# Altium PCB PCB1.PcbDoc (part 1 of 5)
Units mm, origin at the board's own origin, x right, y up, seen from the top; angles counter-clockwise.
Board outline 160 x 50 mm, 6 copper layers (Top Layer, Layer 1, Top Middle Layer, Bottom Middle Layer, Layer 2, Bottom Layer), stack 0.885 mm thick; 337 components, 281 nets, 1269 pads, 489 vias.
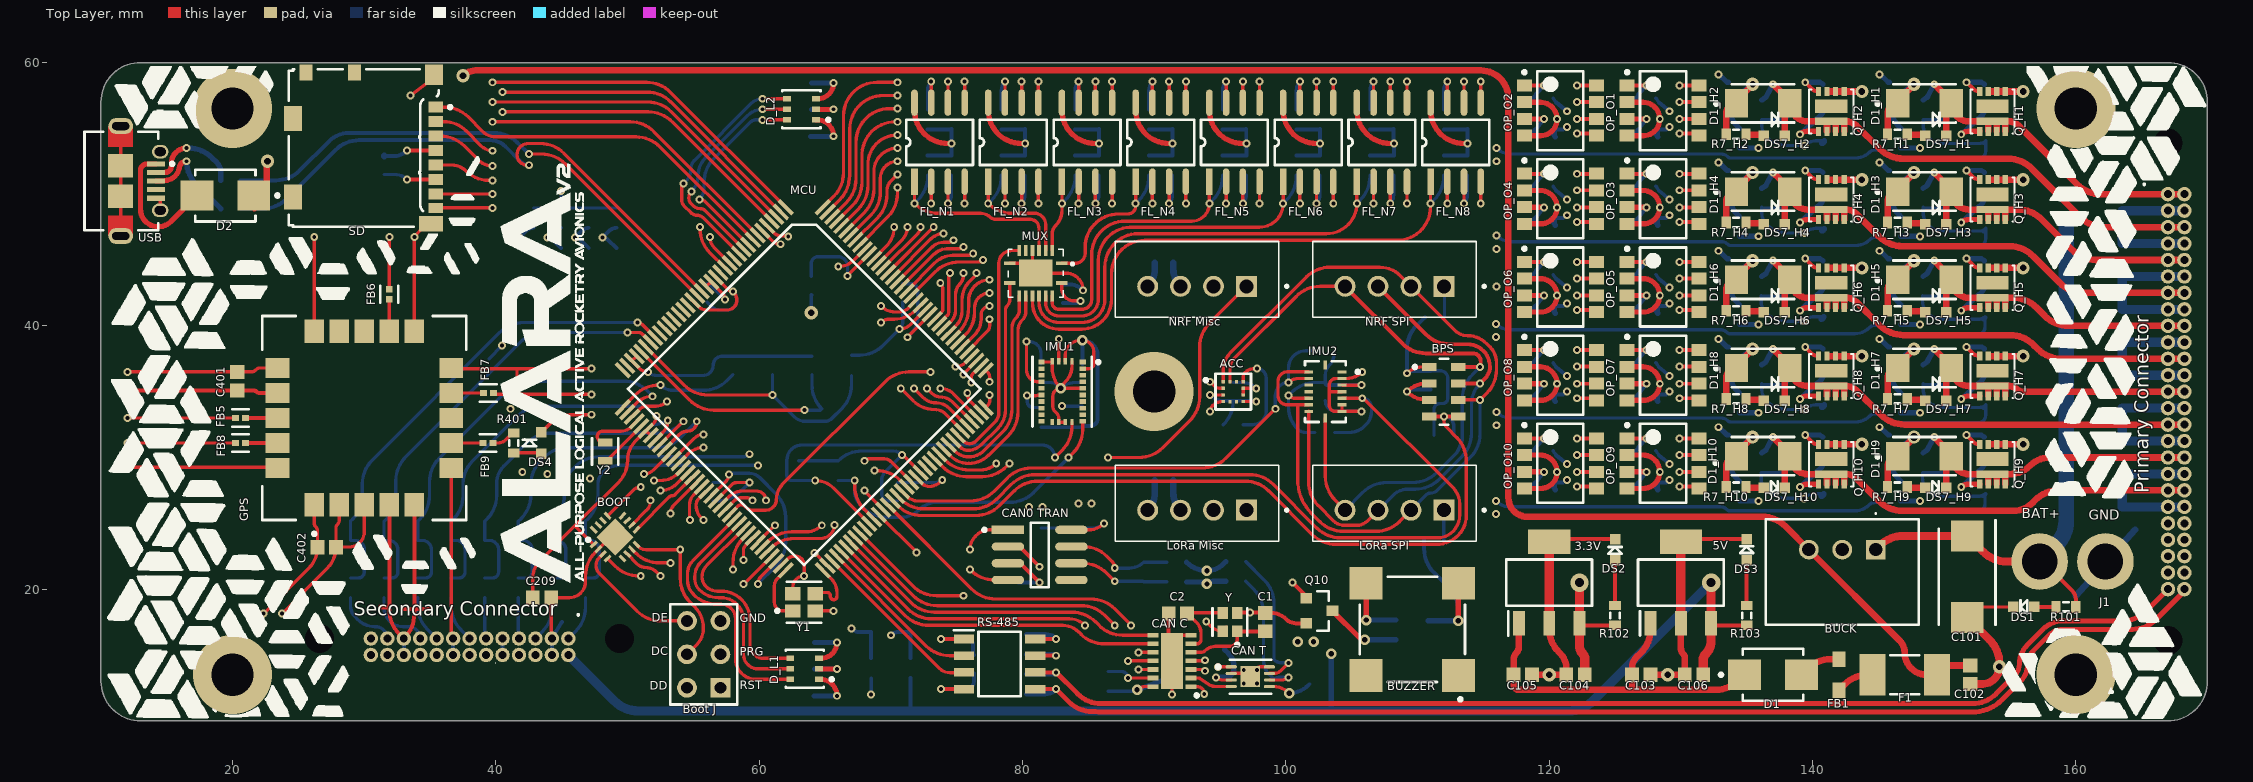
[diagram p0: Top Layer view]
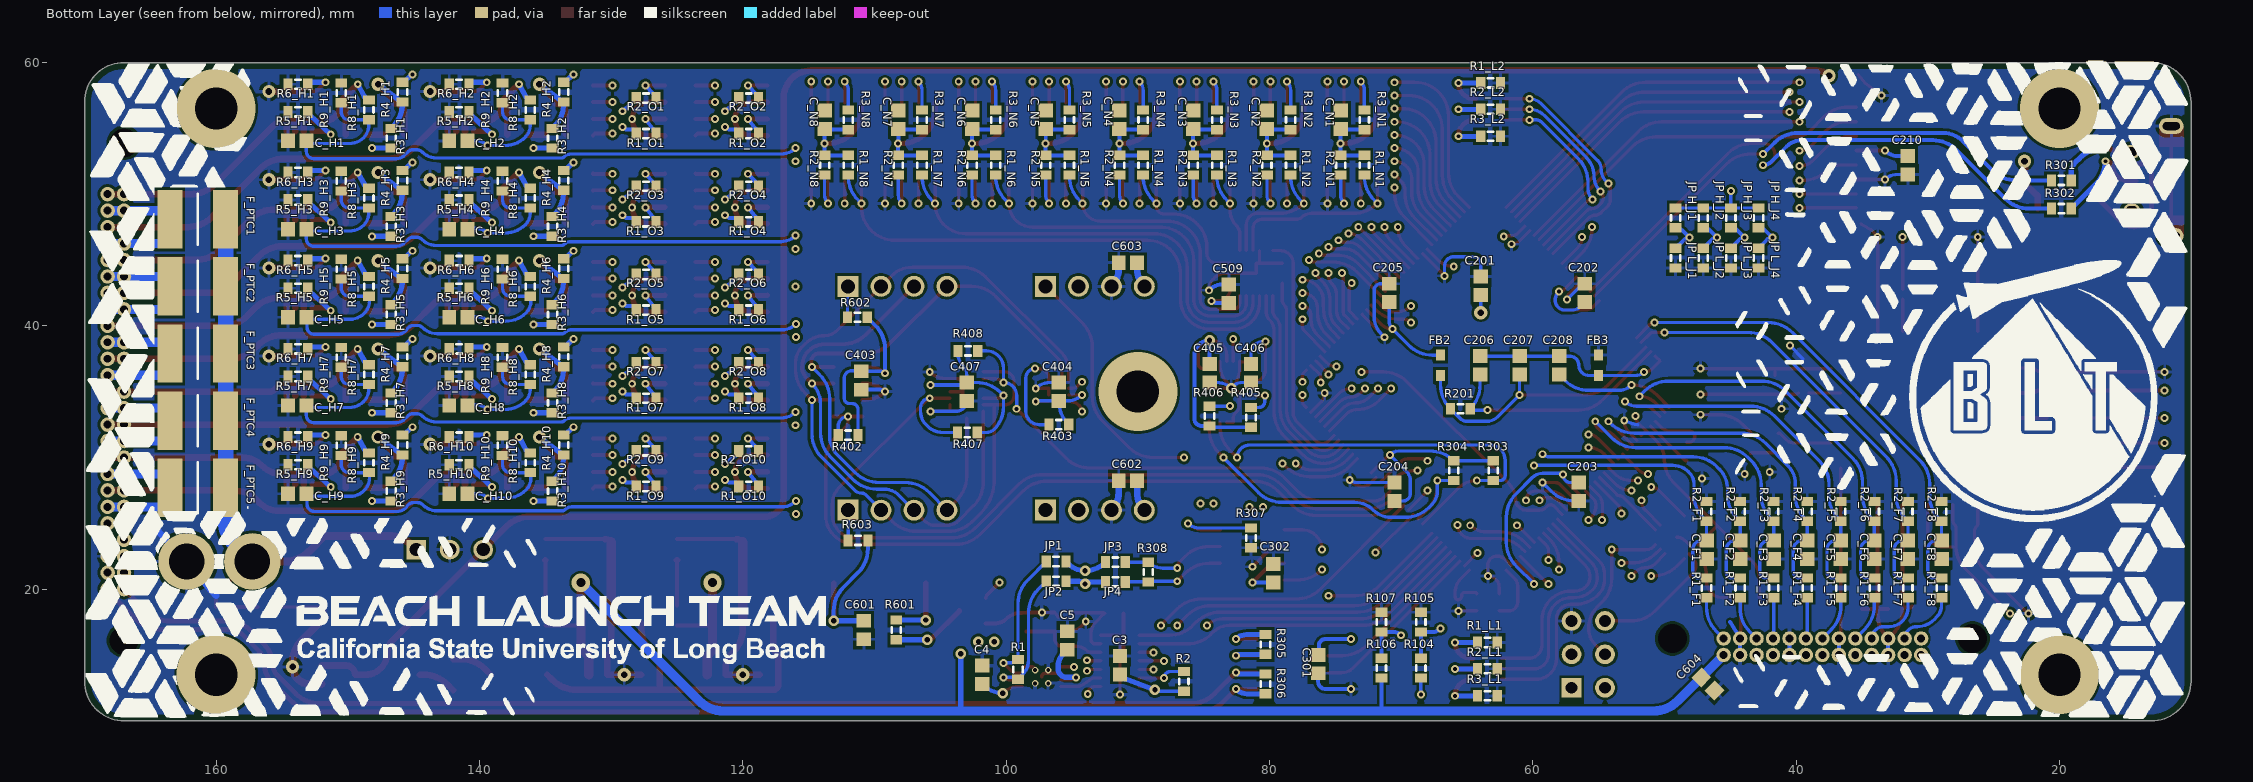
[diagram p1: Bottom Layer view, seen from below]
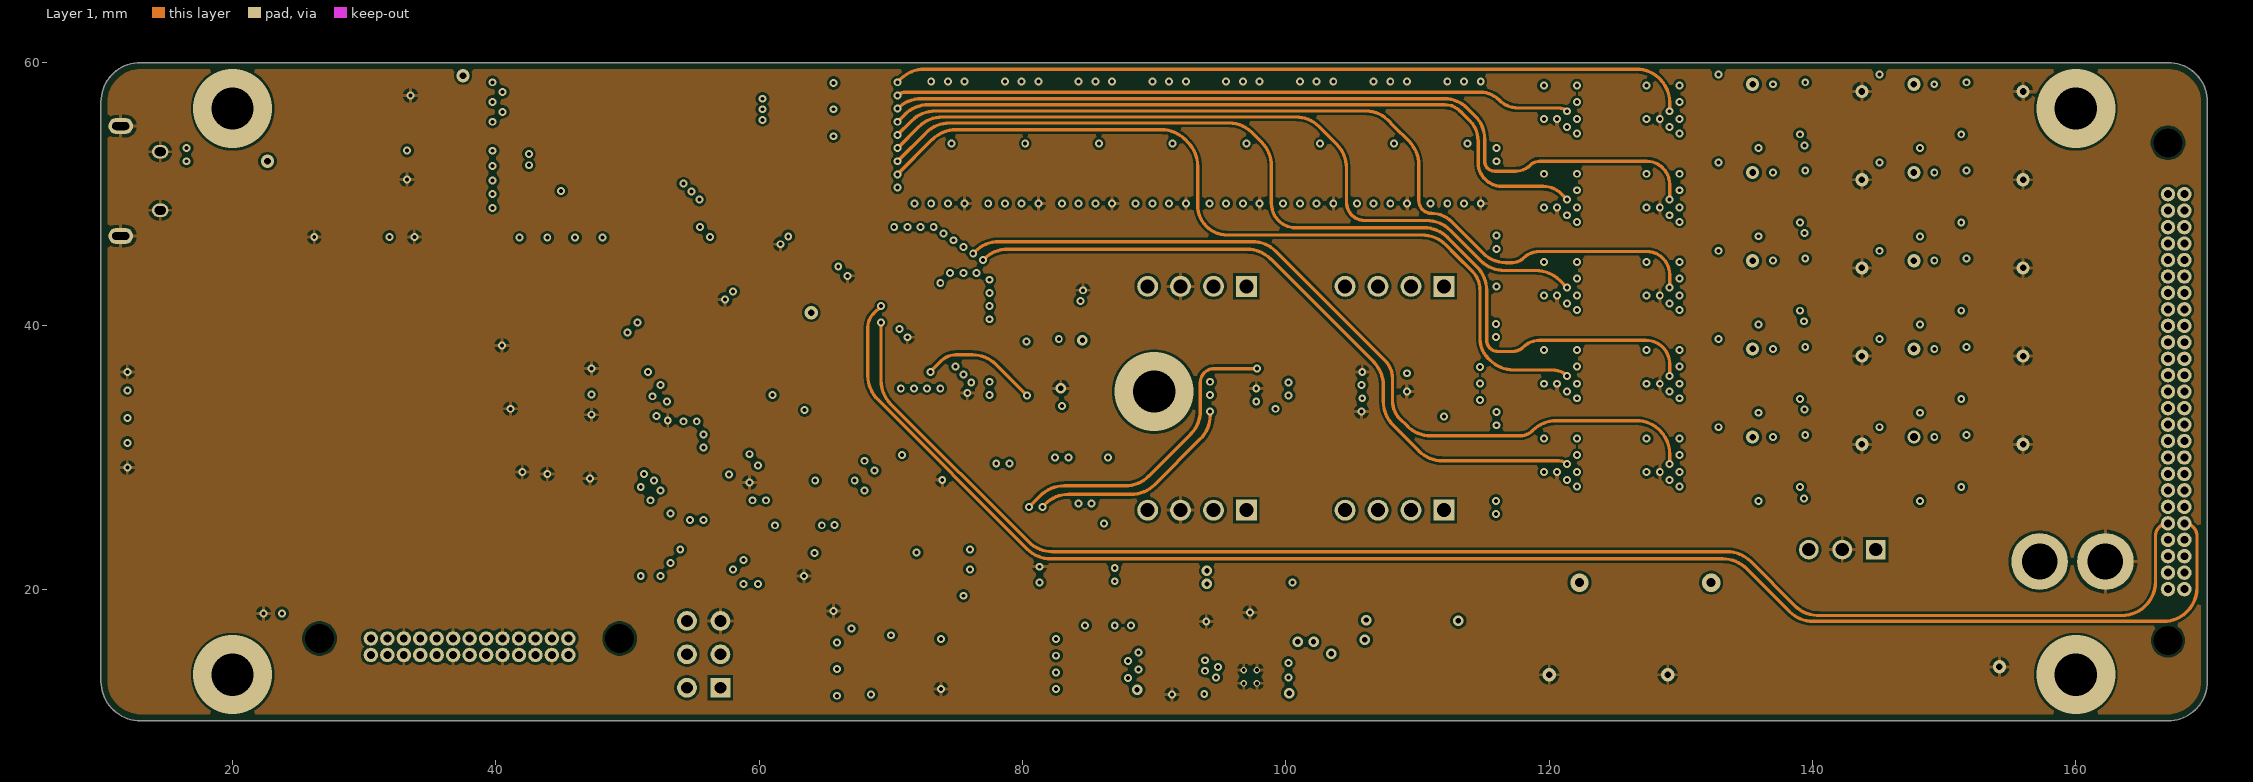
[diagram p2: Layer 1]
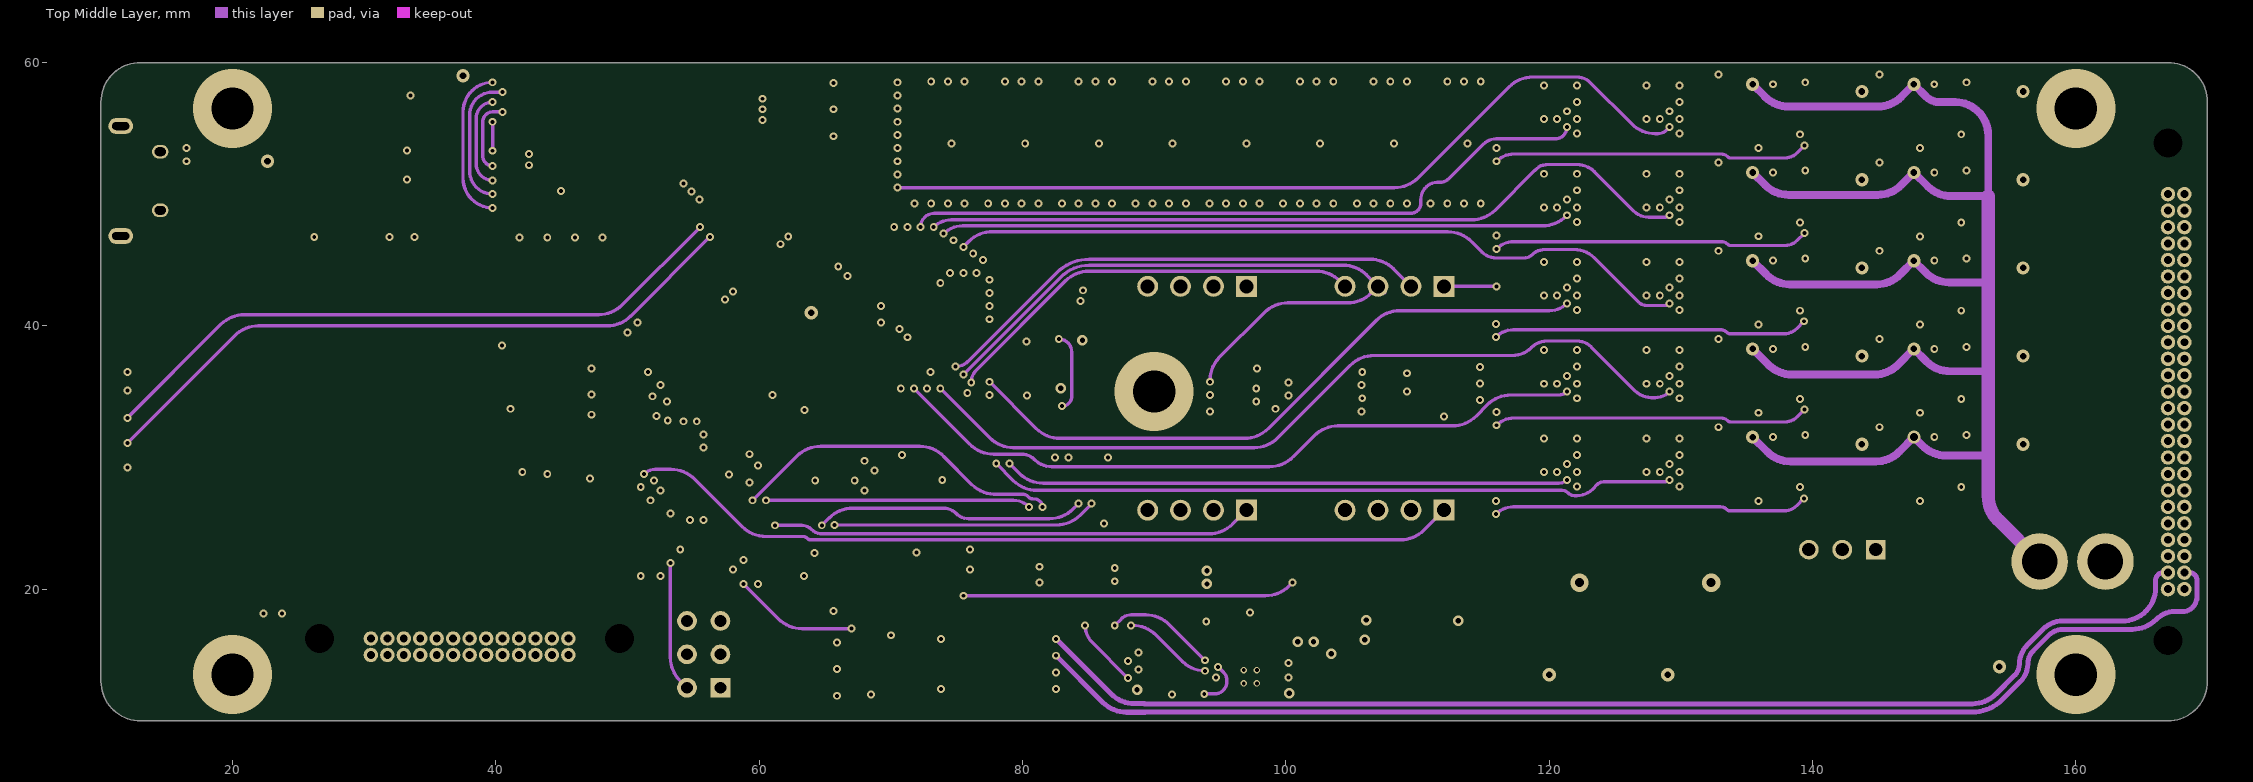
[diagram p3: Top Middle Layer]
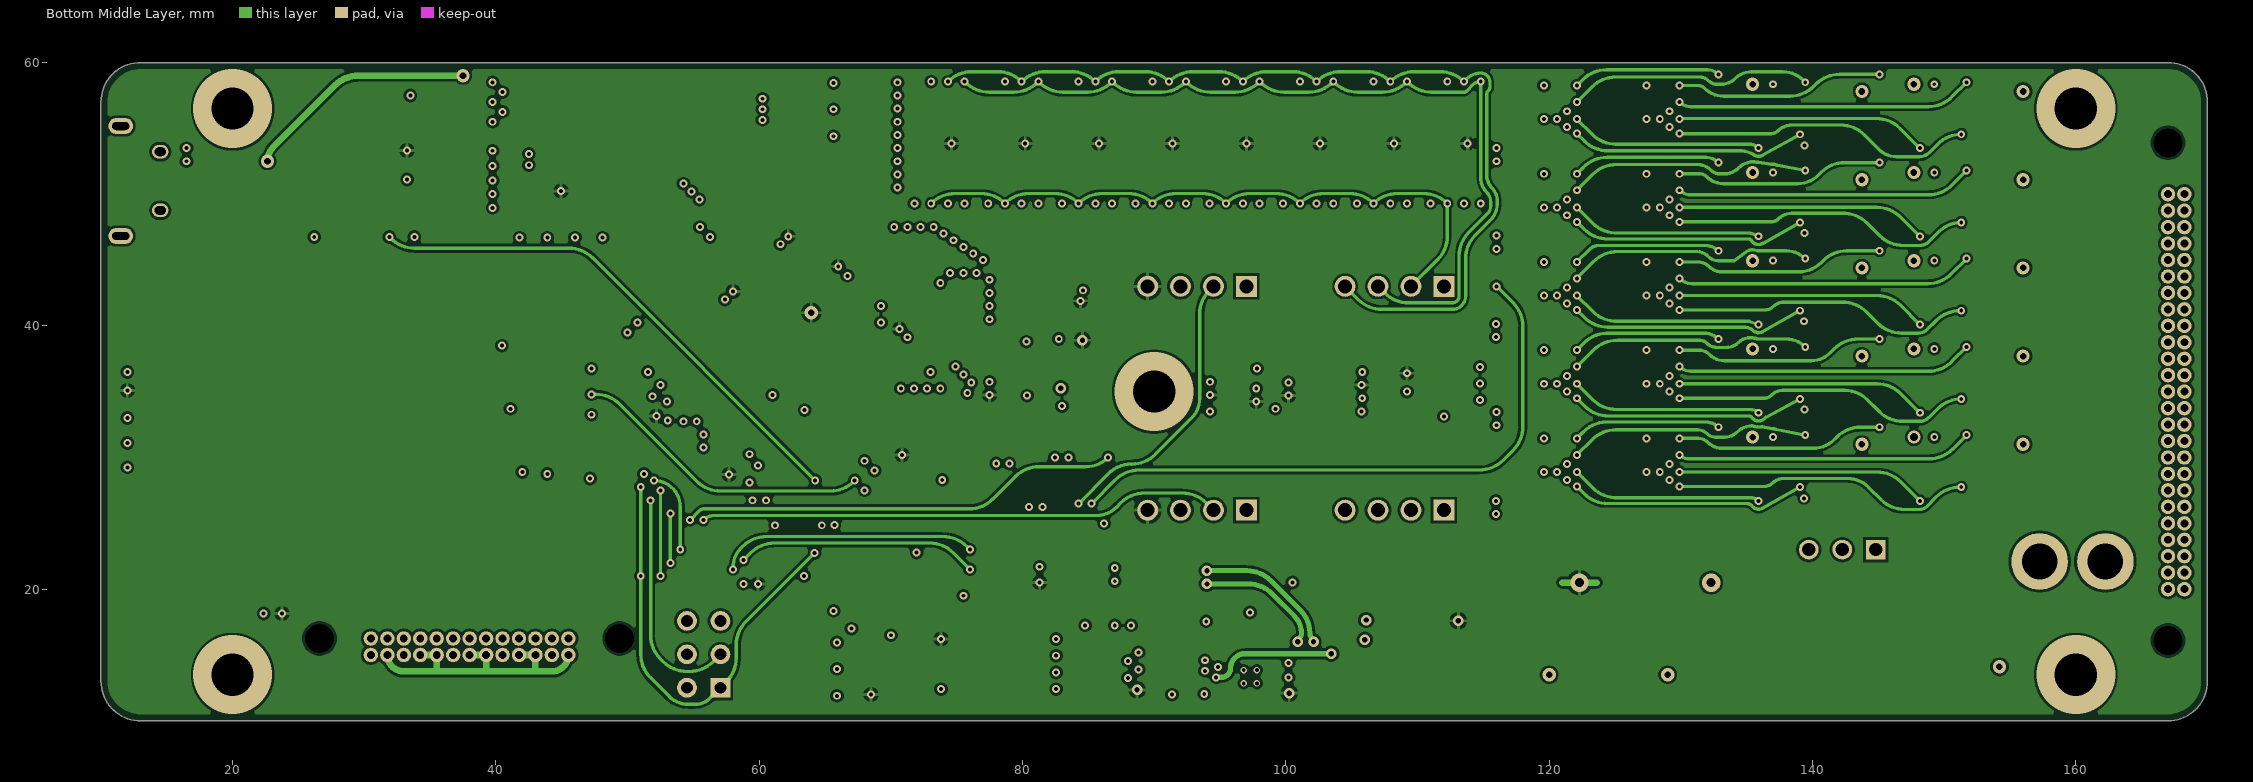
[diagram p4: Bottom Middle Layer]
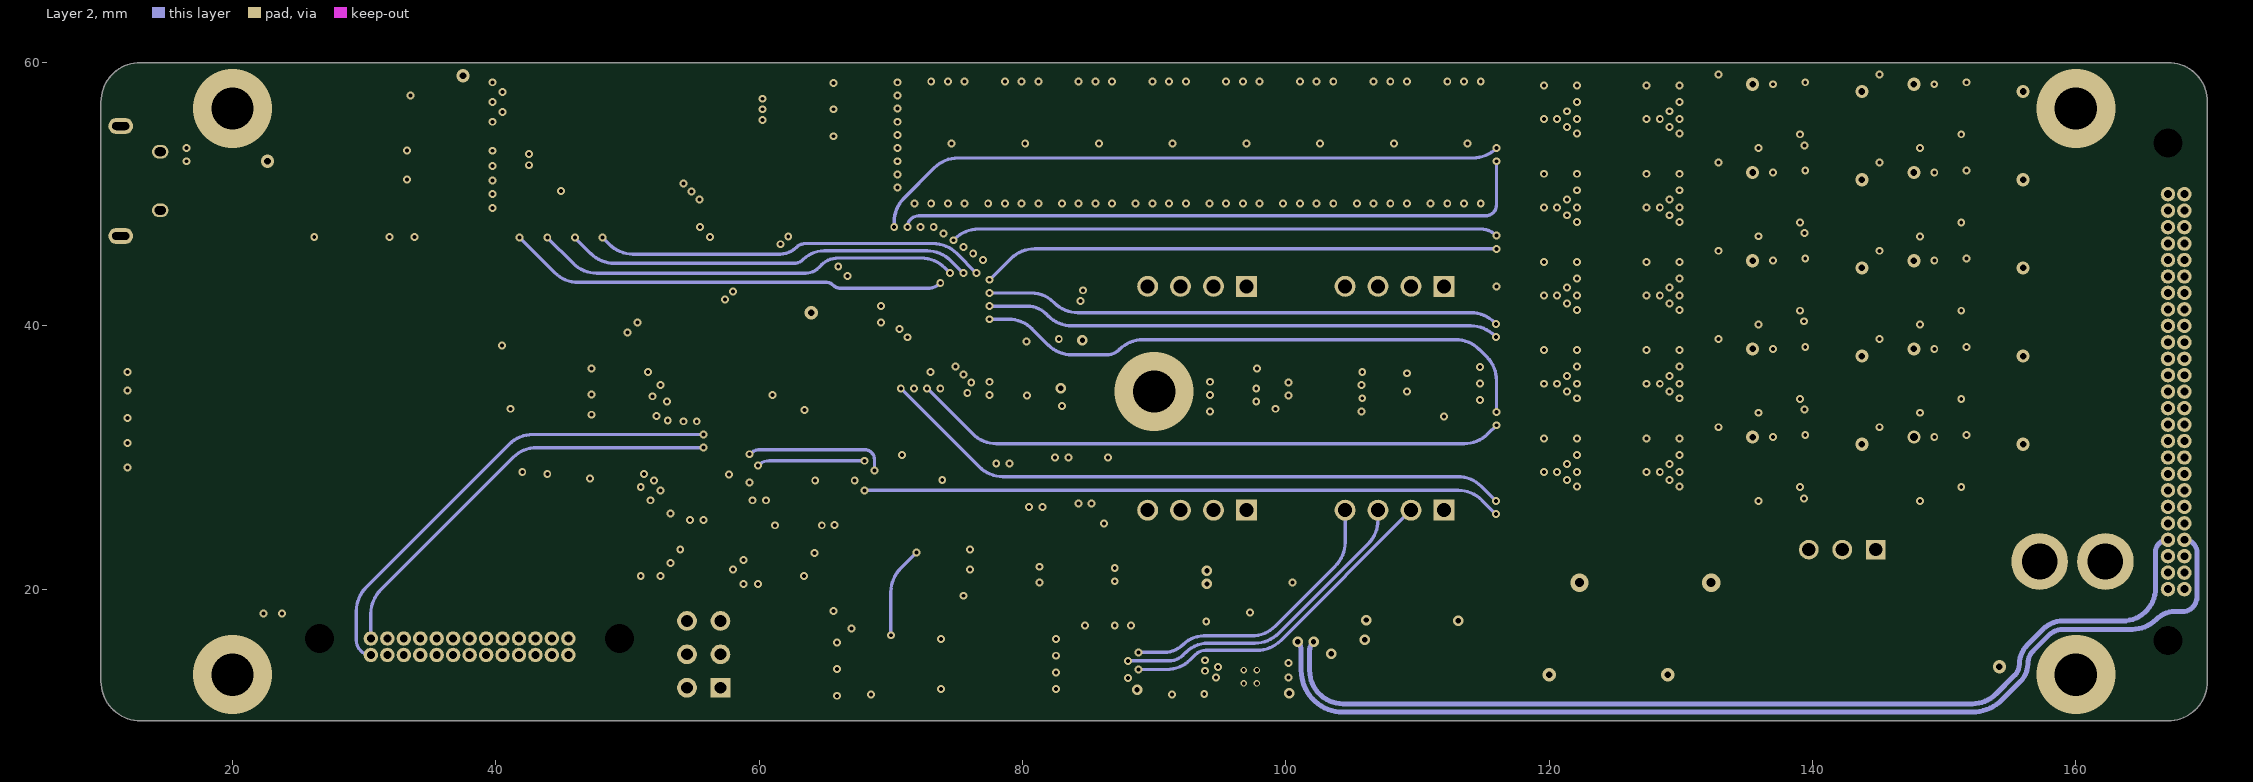
[diagram p5: Layer 2]
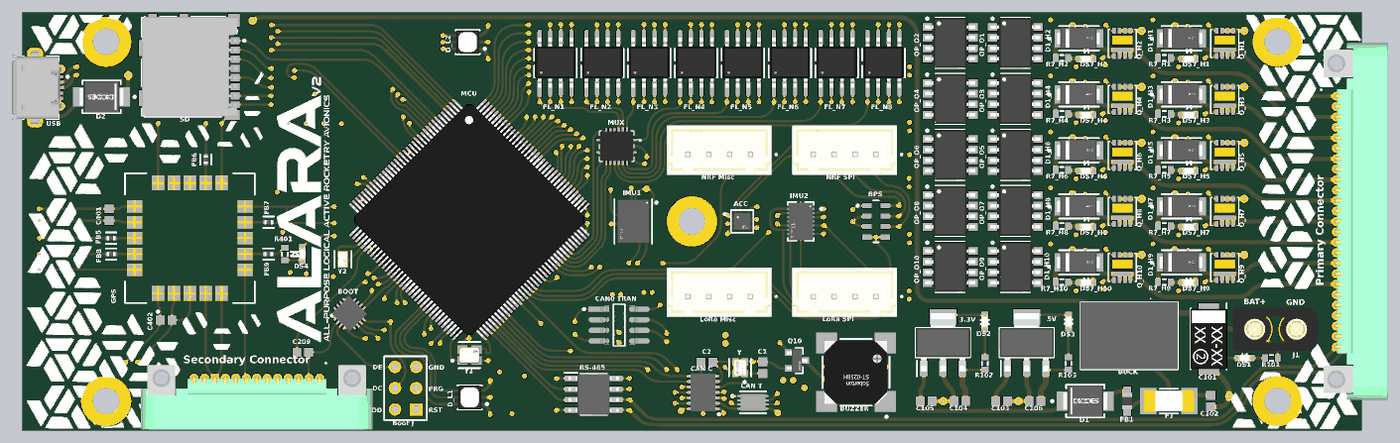
[diagram p10: 3D render of the assembled board from above, using the file's embedded part models]

## Layer stack, top to bottom
Top Solder: solder mask 0.0254, SM-002, Dk 4
Top Layer: signal copper 0.07
Dielectric 2: prepreg 0.0711, PP-006, Dk 4.1
Layer 1: signal copper 0.035
Dielectric 4: prepreg 0.0711, PP-006, Dk 4.1
Top Middle Layer: signal copper 0.035
Dielectric 1: dielectric 0.32, FR-4, Dk 4.8
Bottom Middle Layer: signal copper 0.035
Dielectric 5: prepreg 0.0711, PP-006, Dk 4.1
Layer 2: signal copper 0.035
Dielectric 3: prepreg 0.0711, PP-006, Dk 4.1
Bottom Layer: signal copper 0.07
Bottom Solder: solder mask 0.0254, SM-002, Dk 4

## Board outline
10,13 ccw(c13,13) 13,10 167,10 ccw(c167,13) 170,13 170,57 ccw(c167,57) 167,60 13,60 ccw(c13,57) 10,57

## Design rules (kind name [scope] priority, off if disabled: settings)
Clearance [All] p1: gap=0.2 ignorepadtopadclearanceinfootprint=TRUE except(0: Arc-Hole Track-Hole SMDPad-Hole THPad-Hole Via-Hole Fill-Hole Poly-Hole Region-Hole Text-Hole; 0.15: Arc-SMDPad Track-SMDPad)
DiffPairsRouting [All] p1: maxlimit=0.254 minlimit=0.254 mostfreqgap=0.254 toplayer_minwidth=0.381 toplayer_maxwidth=0.381 toplayer_prefwidth=0.381 midlayer1_minwidth=0.381 midlayer1_maxwidth=0.381 midlayer1_prefwidth=0.381 midlayer2_minwidth=0.381 midlayer2_maxwidth=0.381 midlayer2_prefwidth=0.381 midlayer3_minwidth=0.381 midlayer3_maxwidth=0.381 midlayer3_prefwidth=0.381 midlayer4_minwidth=0.381 midlayer4_maxwidth=0.381 midlayer4_prefwidth=0.381 bottomlayer_minwidth=0.381 bottomlayer_maxwidth=0.381 bottomlayer_prefwidth=0.381 maxuncoupledlength=12.7
PolygonConnect [All] p1: connectstyle=Relief reliefconductorwidth=0.254 reliefentries=4 polygonreliefangle="90 Angle" airgapwidth=0.254
RoomDefinition PTC1 [InComponentClass('PTC1')] p1: confinementstyle=ConfineIn formatcopy=TRUE lockcomponents=FALSE outline 157.2,50.65 164.9,50.65 164.9,45.55 157.2,45.55
RoomDefinition PTC2 [InComponentClass('PTC2')] p2: confinementstyle=ConfineIn formatcopy=TRUE lockcomponents=FALSE outline 157.2,45.55 164.9,45.55 164.9,40.45 157.2,40.45
RoomDefinition PTC3 [InComponentClass('PTC3')] p3: confinementstyle=ConfineIn formatcopy=TRUE lockcomponents=FALSE outline 157.2,40.45 164.9,40.45 164.9,35.35 157.2,35.35
RoomDefinition PTC4 [InComponentClass('PTC4')] p4: confinementstyle=ConfineIn formatcopy=TRUE lockcomponents=FALSE outline 157.2,35.35 164.9,35.35 164.9,30.25 157.2,30.25
RoomDefinition PTC5 [InComponentClass('PTC5')] p5: confinementstyle=ConfineIn formatcopy=TRUE lockcomponents=FALSE outline 157.2,30.25 164.9,30.25 164.9,25.15 157.2,25.15
RoomDefinition F6 [InComponentClass('F6')] p6: confinementstyle=ConfineIn formatcopy=TRUE lockcomponents=FALSE outline 32.95,18.25 35.5,18.25 35.5,27.75 32.95,27.75
RoomDefinition F7 [InComponentClass('F7')] p7: confinementstyle=ConfineIn formatcopy=TRUE lockcomponents=FALSE outline 30.4,18.25 32.95,18.25 32.95,27.75 30.4,27.75
RoomDefinition F8 [InComponentClass('F8')] p8: confinementstyle=ConfineIn formatcopy=TRUE lockcomponents=FALSE outline 27.85,18.25 30.4,18.25 30.4,27.75 27.85,27.75
RoomDefinition F1 [InComponentClass('F1')] p9: confinementstyle=ConfineIn formatcopy=TRUE lockcomponents=FALSE outline 45.7,18.25 48.25,18.25 48.25,27.75 45.7,27.75
RoomDefinition F2 [InComponentClass('F2')] p10: confinementstyle=ConfineIn formatcopy=TRUE lockcomponents=FALSE outline 43.15,18.25 45.7,18.25 45.7,27.75 43.15,27.75
RoomDefinition F3 [InComponentClass('F3')] p11: confinementstyle=ConfineIn formatcopy=TRUE lockcomponents=FALSE outline 40.6,18.25 43.15,18.25 43.15,27.75 40.6,27.75
RoomDefinition F4 [InComponentClass('F4')] p12: confinementstyle=ConfineIn formatcopy=TRUE lockcomponents=FALSE outline 38.05,18.25 40.6,18.25 40.6,27.75 38.05,27.75
RoomDefinition F5 [InComponentClass('F5')] p13: confinementstyle=ConfineIn formatcopy=TRUE lockcomponents=FALSE outline 35.5,18.25 38.05,18.25 38.05,27.75 35.5,27.75
RoomDefinition B [InComponentClass('B')] p14: confinementstyle=ConfineIn formatcopy=TRUE lockcomponents=FALSE outline 85.5,11.5 102.95,11.5 102.95,19.6 85.5,19.6
RoomDefinition J4 [InComponentClass('J4')] p15: confinementstyle=ConfineIn formatcopy=TRUE lockcomponents=FALSE outline 41.4,42.6 43.5,42.6 43.5,51 41.4,51
RoomDefinition L1 [InComponentClass('L1')] p16: confinementstyle=ConfineIn formatcopy=TRUE lockcomponents=FALSE outline 66.35,10.45 66.35,16.6 60.95,16.6 60.95,10.45
RoomDefinition L2 [InComponentClass('L2')] p17: confinementstyle=ConfineIn formatcopy=TRUE lockcomponents=FALSE outline 67.3,52.95 67.3,59.1 60.7,59.1 60.7,52.95
RoomDefinition J3 [InComponentClass('J3')] p18: confinementstyle=ConfineIn formatcopy=TRUE lockcomponents=FALSE outline 43.5,42.6 45.6,42.6 45.6,51 43.5,51
RoomDefinition J2 [InComponentClass('J2')] p19: confinementstyle=ConfineIn formatcopy=TRUE lockcomponents=FALSE outline 45.6,42.6 47.7,42.6 47.7,51 45.6,51
RoomDefinition J1 [InComponentClass('J1')] p20: confinementstyle=ConfineIn formatcopy=TRUE lockcomponents=FALSE outline 47.7,42.6 49.8,42.6 49.8,51 47.7,51
RoomDefinition N8 [InComponentClass('N8')] p21: confinementstyle=ConfineIn formatcopy=TRUE lockcomponents=FALSE outline 110.2,47.95 115.6,47.95 115.6,59 110.2,59
RoomDefinition N4 [InComponentClass('N4')] p22: confinementstyle=ConfineIn formatcopy=TRUE lockcomponents=FALSE outline 87.8,47.95 93.2,47.95 93.2,59 87.8,59
RoomDefinition N6 [InComponentClass('N6')] p23: confinementstyle=ConfineIn formatcopy=TRUE lockcomponents=FALSE outline 99,47.95 104.4,47.95 104.4,59 99,59
RoomDefinition N5 [InComponentClass('N5')] p24: confinementstyle=ConfineIn formatcopy=TRUE lockcomponents=FALSE outline 93.4,47.95 98.8,47.95 98.8,59 93.4,59
RoomDefinition N7 [InComponentClass('N7')] p25: confinementstyle=ConfineIn formatcopy=TRUE lockcomponents=FALSE outline 104.6,47.95 110,47.95 110,59 104.6,59
RoomDefinition N3 [InComponentClass('N3')] p26: confinementstyle=ConfineIn formatcopy=TRUE lockcomponents=FALSE outline 82.2,47.95 87.6,47.95 87.6,59 82.2,59
RoomDefinition N2 [InComponentClass('N2')] p27: confinementstyle=ConfineIn formatcopy=TRUE lockcomponents=FALSE outline 76.6,47.95 82,47.95 82,59 76.6,59
RoomDefinition N1 [InComponentClass('N1')] p28: confinementstyle=ConfineIn formatcopy=TRUE lockcomponents=FALSE outline 71,47.95 76.4,47.95 76.4,59 71,59
RoomDefinition O10 [InComponentClass('O10')] p29: confinementstyle=ConfineIn formatcopy=TRUE lockcomponents=FALSE outline 116.65,26.35 124.35,26.35 124.35,32.75 116.65,32.75
RoomDefinition O9 [InComponentClass('O9')] p30: confinementstyle=ConfineIn formatcopy=TRUE lockcomponents=FALSE outline 124.45,26.35 132.15,26.35 132.15,32.75 124.45,32.75
RoomDefinition O8 [InComponentClass('O8')] p31: confinementstyle=ConfineIn formatcopy=TRUE lockcomponents=FALSE outline 116.65,33.05 124.35,33.05 124.35,39.45 116.65,39.45
RoomDefinition O7 [InComponentClass('O7')] p32: confinementstyle=ConfineIn formatcopy=TRUE lockcomponents=FALSE outline 124.45,33.05 132.15,33.05 132.15,39.45 124.45,39.45
RoomDefinition O6 [InComponentClass('O6')] p33: confinementstyle=ConfineIn formatcopy=TRUE lockcomponents=FALSE outline 116.65,39.75 124.35,39.75 124.35,46.15 116.65,46.15
RoomDefinition O5 [InComponentClass('O5')] p34: confinementstyle=ConfineIn formatcopy=TRUE lockcomponents=FALSE outline 124.45,39.75 132.15,39.75 132.15,46.15 124.45,46.15
RoomDefinition O4 [InComponentClass('O4')] p35: confinementstyle=ConfineIn formatcopy=TRUE lockcomponents=FALSE outline 116.65,46.45 124.35,46.45 124.35,52.85 116.65,52.85
RoomDefinition O3 [InComponentClass('O3')] p36: confinementstyle=ConfineIn formatcopy=TRUE lockcomponents=FALSE outline 124.45,46.45 132.15,46.45 132.15,52.85 124.45,52.85
RoomDefinition O2 [InComponentClass('O2')] p37: confinementstyle=ConfineIn formatcopy=TRUE lockcomponents=FALSE outline 116.65,53.15 124.35,53.15 124.35,59.55 116.65,59.55
RoomDefinition O1 [InComponentClass('O1')] p38: confinementstyle=ConfineIn formatcopy=TRUE lockcomponents=FALSE outline 124.45,53.15 132.15,53.15 132.15,59.55 124.45,59.55
RoomDefinition H10 [InComponentClass('H10')] p39: confinementstyle=ConfineIn formatcopy=FALSE lockcomponents=FALSE outline 132.25,32.75 132.25,26.15 144.4,26.15 144.4,32.75
RoomDefinition H1 [InComponentClass('H1')] p40: confinementstyle=ConfineIn formatcopy=TRUE lockcomponents=FALSE outline 144.5,59.55 144.5,52.95 156.65,52.95 156.65,59.55
RoomDefinition H2 [InComponentClass('H2')] p41: confinementstyle=ConfineIn formatcopy=TRUE lockcomponents=FALSE outline 132.25,59.55 132.25,52.95 144.4,52.95 144.4,59.55
RoomDefinition H3 [InComponentClass('H3')] p42: confinementstyle=ConfineIn formatcopy=TRUE lockcomponents=FALSE outline 144.5,52.85 144.5,46.25 156.65,46.25 156.65,52.85
RoomDefinition H4 [InComponentClass('H4')] p43: confinementstyle=ConfineIn formatcopy=TRUE lockcomponents=FALSE outline 132.25,52.85 132.25,46.25 144.4,46.25 144.4,52.85
RoomDefinition H5 [InComponentClass('H5')] p44: confinementstyle=ConfineIn formatcopy=TRUE lockcomponents=FALSE outline 144.5,46.15 144.5,39.55 156.65,39.55 156.65,46.15
RoomDefinition H6 [InComponentClass('H6')] p45: confinementstyle=ConfineIn formatcopy=TRUE lockcomponents=FALSE outline 132.25,46.15 132.25,39.55 144.4,39.55 144.4,46.15
RoomDefinition H7 [InComponentClass('H7')] p46: confinementstyle=ConfineIn formatcopy=TRUE lockcomponents=FALSE outline 144.5,39.45 144.5,32.85 156.65,32.85 156.65,39.45
RoomDefinition H8 [InComponentClass('H8')] p47: confinementstyle=ConfineIn formatcopy=TRUE lockcomponents=FALSE outline 132.25,39.45 132.25,32.85 144.4,32.85 144.4,39.45
RoomDefinition H9 [InComponentClass('H9')] p48: confinementstyle=ConfineIn formatcopy=TRUE lockcomponents=FALSE outline 144.5,32.75 144.5,26.15 156.65,26.15 156.65,32.75
RoutingVias [All] p1: holewidth=0.711 width=1.27 viastyle="Through Hole" minholewidth=0.711 minwidth=1.27 maxholewidth=0.711 maxwidth=1.27
SolderMaskExpansion [All] p1: expansion=0.102 istentingtop=FALSE
Width [All] p1: maxlimit=1.2 minlimit=0.2 preferedwidth=0.254 midlayer1_minwidth=0.254 midlayer1_maxwidth=1 midlayer2_minwidth=0.254 midlayer2_maxwidth=0.5 midlayer3_minwidth=0.254 midlayer3_maxwidth=0.254 midlayer4_minwidth=0.254 midlayer4_maxwidth=0.254 minimp=50.000000 maximp=50.000000 favimp=50.000000
29 further rules are at their usual default settings.
